# Allegro board trx_layout.brd (continued)
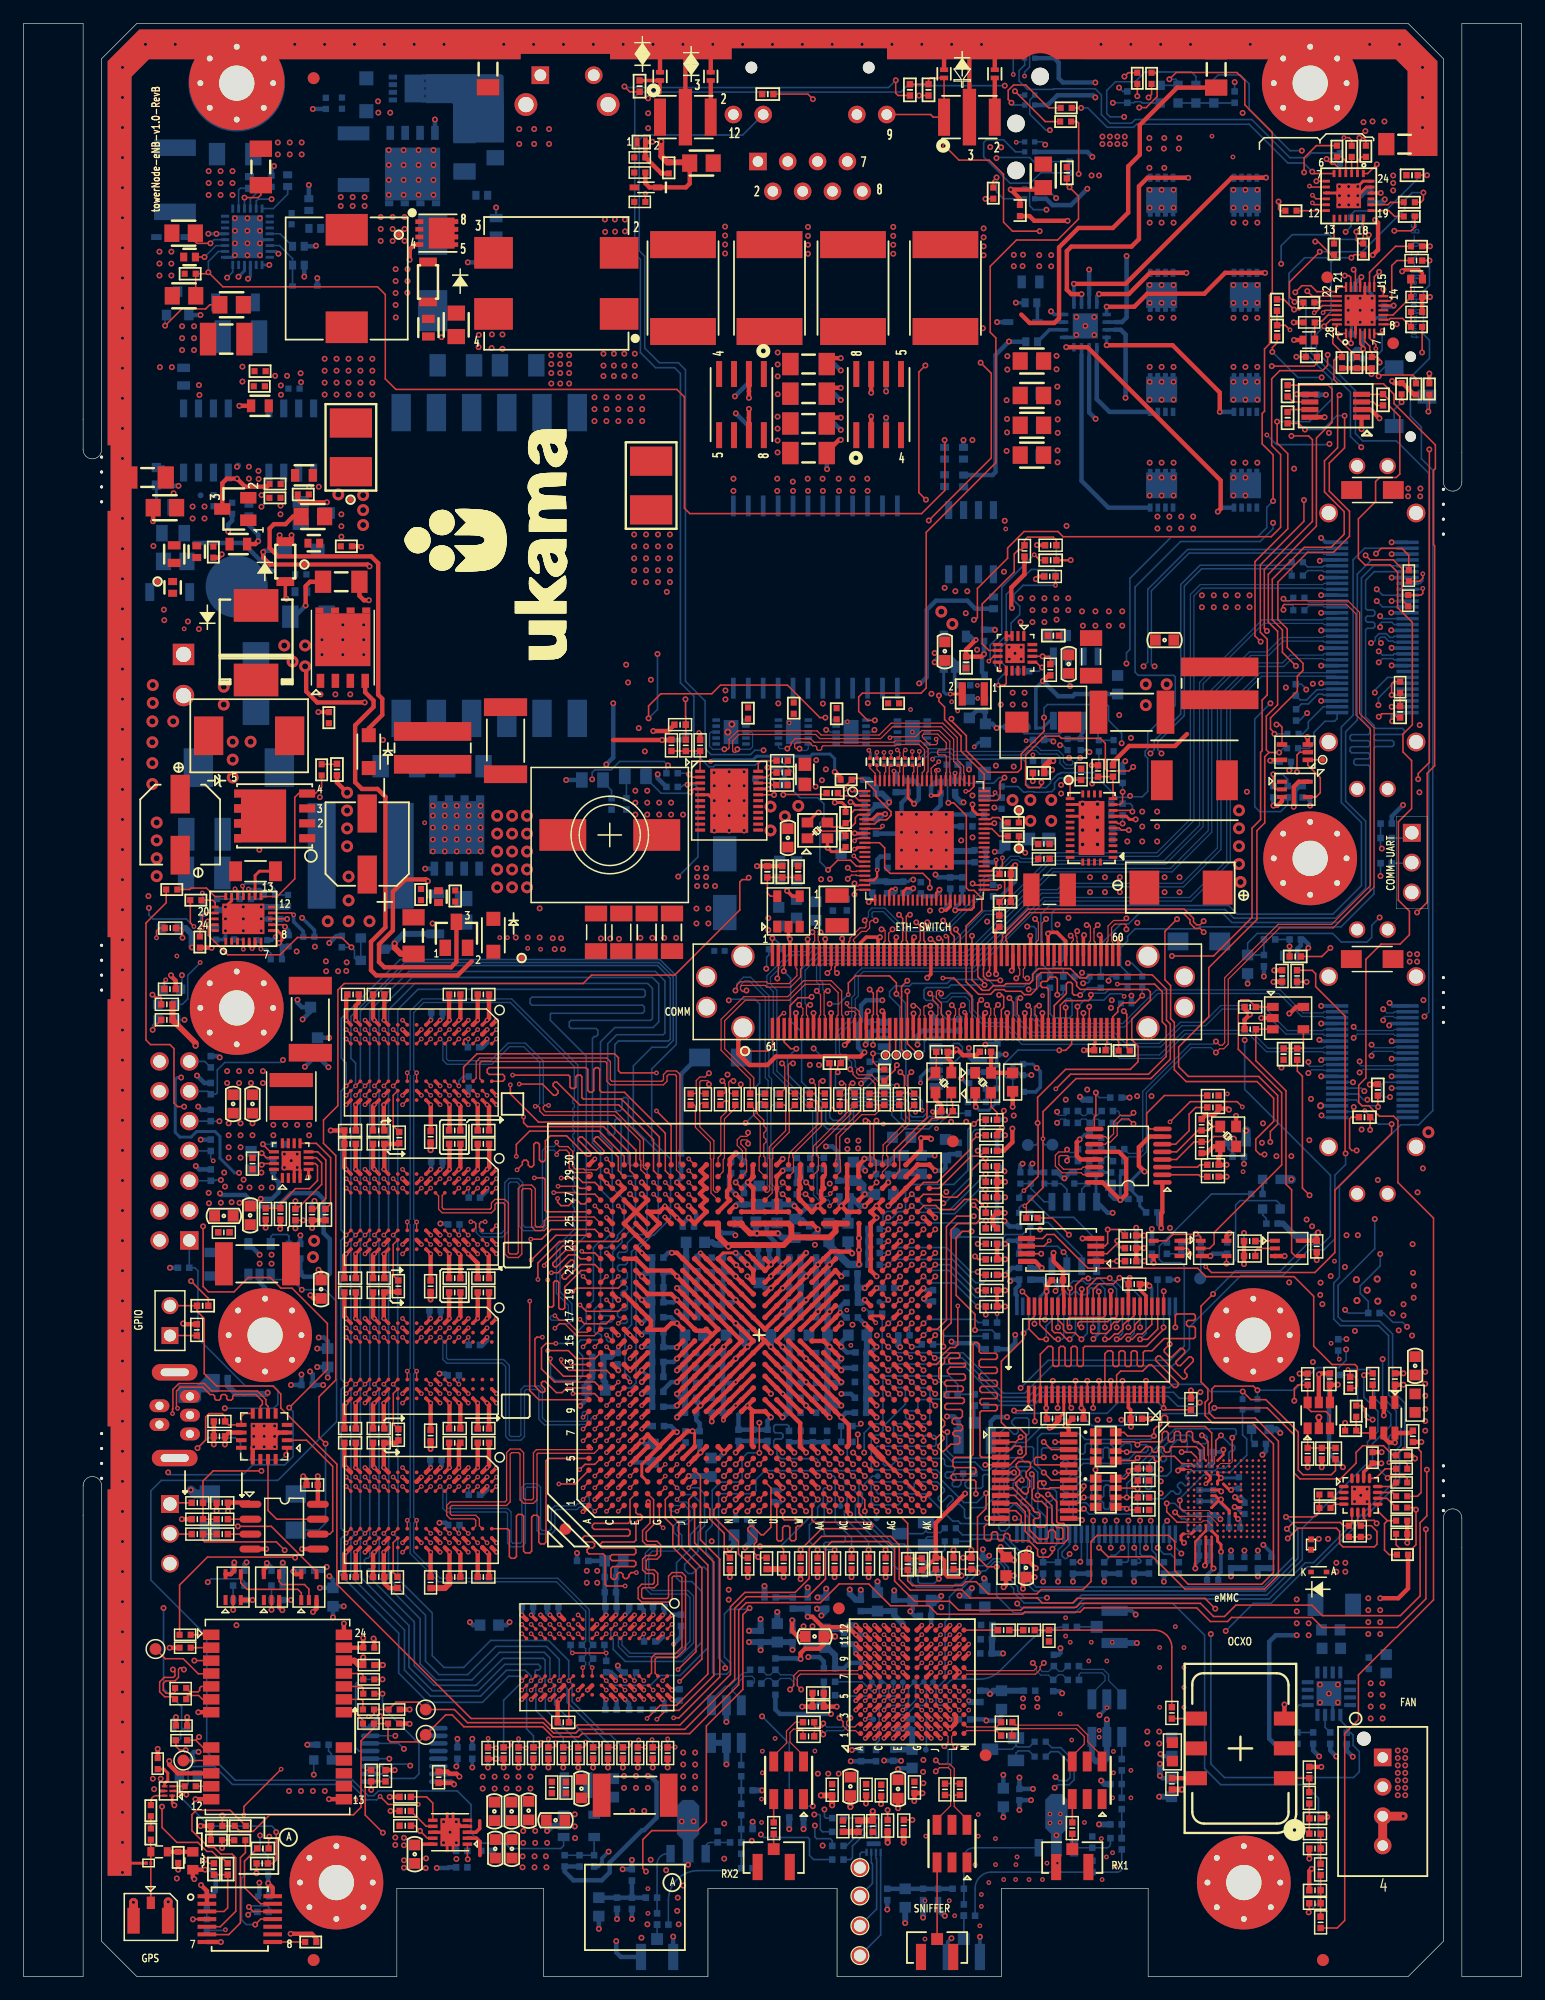
[diagram p0: board, top side]
## Routing (per net, layer and track width the routed paths; a pad name or vN(x,y) marks a point on that pad's centre or on a via; arc(x,y) is an arc through that point) (continued)
7130_RF_D5: length 37
  TOP w0.137: U3.D9 v2(73.3,27.51) ; U1.P4 v1(60.67,42.61)
  L3-SIGNAL w0.127: v1(60.67,42.61) 60.17,42.12 60.17,41.43 59.82,41.07 59.26,41.07 58.77,40.57 58.77,38.26 59.49,37.54 59.49,31.64 59.61,31.51 60.58,31.51 60.71,31.39 60.71,31.13 60.58,31.01 59.61,31.01 59.49,30.88 59.49,30.63 59.61,30.5 60.58,30.5 60.71,30.37 60.71,30.12 60.58,29.99 59.61,29.99 59.49,29.86 59.49,28.39 59.96,27.92 60.21,27.92 60.34,28.05 60.34,28.24 60.47,28.37 60.72,28.37 60.85,28.24 60.85,28.05 60.98,27.92 62.29,27.92 63,28.63 67.41,28.63 67.53,28.5 70.42,28.5 70.65,28.72 71.86,28.72 72.12,28.46 72.12,28.46 72.12,28.15 72.34,27.92 72.66,27.92 73.08,27.51 v2(73.3,27.51)
7130_RF_D6: length 36.6
  TOP w0.137: U1.P5 v1(60.67,43.61) ; U3.E9 v2(74.1,27.51)
  L3-SIGNAL w0.127: v1(60.67,43.61) 61.22,43.06 61.22,41.34 60.95,41.07 60.48,41.07 60.12,40.7 60.12,40.44 60.11,40.44 60.11,40.38 59.9,40.17 59.57,40.17 59.22,39.82 59.22,38.56 60.61,37.17 60.61,34.2 60.62,34.19 60.62,33.98 61.04,33.56 61.04,29.29 61.37,28.96 62.08,28.96 62.25,29.12 62.25,29.75 62.37,29.88 63.22,29.88 63.35,29.75 63.35,29.08 63.48,28.96 63.73,28.96 63.86,29.08 63.86,29.75 63.99,29.88 64.24,29.88 64.37,29.75 64.37,29.08 64.49,28.96 64.75,28.96 64.87,29.08 64.87,29.75 65,29.88 65.76,29.88 66.26,29.38 67.4,29.38 67.52,29.5 71.88,29.5 72.11,29.27 72.11,28.88 72.27,28.72 72.64,28.72 72.89,28.47 72.89,28.16 73.14,27.91 73.97,27.91 74.1,27.79 v2(74.1,27.51)
7130_RF_D7: length 33.8
  TOP w0.137: U3.D8 v2(73.3,26.71) ; U1.N1 v1(59.67,39.61)
  L6-SIGNAL w0.127: v1(59.67,39.61) 59.67,38.95 60.56,38.06 63.26,38.06 64.79,36.53 65.01,36.53 65.69,35.84 65.69,32.79 65.93,32.55 66.67,32.55 66.79,32.42 66.79,32.17 66.67,32.04 65.8,32.04 65.67,31.92 65.67,31.14 65.93,30.89 65.93,29.46 66.47,28.92 67.58,28.92 67.7,29.05 67.7,30.14 67.83,30.27 68.03,30.27 68.16,30.14 68.16,29.64 68.29,29.51 68.44,29.51 68.57,29.64 68.57,30.09 68.7,30.22 68.86,30.22 68.99,30.09 68.99,29.44 67.95,28.4 67.95,28.22 69.07,27.1 69.31,27.1 69.45,27.24 69.45,28.23 69.58,28.36 69.83,28.36 69.96,28.23 69.96,27.23 70.08,27.1 72.66,27.1 73.06,26.71 v2(73.3,26.71)
7130_RF_D8: length 33.9
  TOP w0.137: U3.E8 v2(74.1,26.71) ; U1.N2 v1(59.67,40.61)
  L6-SIGNAL w0.127: v2(74.1,26.71) 73.88,26.71 73.46,26.29 73.14,26.29 72.92,26.06 72.92,25.52 72.75,25.36 71.08,25.36 70.95,25.48 70.95,26.62 70.83,26.75 70.57,26.75 70.44,26.62 70.44,25.48 70.32,25.36 70.06,25.36 69.94,25.48 69.94,26.62 69.81,26.75 69.56,26.75 69.43,26.62 69.43,25.48 69.3,25.36 69.05,25.36 68.14,26.26 68.14,27.55 67.19,28.51 66.38,28.51 65.97,28.92 65.94,28.92 65.04,29.82 65.04,33.66 65.19,33.82 65.19,35.56 63.03,37.73 60.42,37.73 59.18,38.97 59.18,40.13 v1(59.67,40.61)
7130_RF_D9: length 34.2
  TOP w0.137: U3.D7 v2(73.3,25.91) ; U1.N3 v1(59.67,41.61)
  L6-SIGNAL w0.127: v2(73.3,25.91) 73.3,25.56 73.55,25.3 75.49,25.3 75.59,25.21 75.59,25.07 75.49,24.98 70.44,24.98 70.4,25.03 68.58,25.03 67.81,25.79 67.81,27.42 67.05,28.18 66.24,28.18 65.83,28.59 65.8,28.59 63.73,30.65 63.73,36.42 62.75,37.4 60.24,37.4 58.83,38.81 58.83,40.77 v1(59.67,41.61)
7130_RF_D10: length 36.7
  TOP w0.137: U3.F8 v2(74.9,26.71) ; U1.N4 v1(59.67,42.61)
  L3-SIGNAL w0.127: v2(74.9,26.71) 74.68,26.71 74.3,27.09 72.38,27.09 72.12,27.35 72.12,27.66 71.88,27.9 70.63,27.9 70.18,27.45 69.79,27.45 69.66,27.58 69.66,28.04 69.54,28.17 69.28,28.17 69.16,28.04 69.16,27.58 69.03,27.45 68.78,27.45 68.65,27.58 68.65,28.04 68.52,28.17 68.27,28.17 68.14,28.04 68.14,27.58 68.01,27.45 67.76,27.45 66.92,28.29 65.35,28.29 64.1,27.05 60.33,27.05 59.15,28.23 59.15,31.85 59.13,31.87 59.13,37.41 58.44,38.11 58.44,40.71 59.22,41.5 59.22,42.17 v1(59.67,42.61)
7130_RF_D11: length 36.7
  TOP w0.137: U3.E7 v2(74.1,25.91) ; U1.N5 v1(59.67,43.61)
  L3-SIGNAL w0.127: v1(59.67,43.61) 59.67,43.87 59.54,44 58.56,44 57.78,43.22 57.78,32.76 58.82,31.72 58.82,28.09 60.2,26.72 65.2,26.72 66.13,27.65 67.04,27.65 67.57,27.12 71.92,27.12 72.12,26.93 72.12,26.55 72.34,26.32 73.97,26.32 74.1,26.2 v2(74.1,25.91)
7130_RF_ENABLE: length 36.7
  TOP w0.137: U1.T5 v1(62.67,43.61) ; U3.G6 v2(76.52,24.28)
  L3-SIGNAL w0.127: v1(62.67,43.61) 62.67,41.78 63.54,40.91 63.54,36.71 65.66,34.59 69.13,34.59 69.54,34.19 69.54,33.79 69.87,33.46 69.87,32.83 70.46,32.24 73.11,32.24 74.27,31.08 74.45,31.08 74.73,31.37 74.91,31.37 75.08,31.2 75.08,31.02 74.79,30.74 74.79,30.56 75.34,30 75.34,28.97 75.06,28.69 74.74,28.69 74.52,28.46 74.52,27.35 74.74,27.12 75.03,27.12 75.31,26.85 75.31,26.53 75.43,26.4 75.72,26.4 75.85,26.28 75.85,26.02 75.72,25.9 75.43,25.9 75.31,25.77 75.31,25.55 75.18,25.42 74.42,25.42 74.29,25.3 74.29,25.04 74.42,24.92 75.15,24.92 75.31,24.75 75.31,24.01 75.45,23.87 76.85,23.87 76.94,23.96 76.94,24.16 76.81,24.28 v2(76.52,24.28)
7130_RF_FCLK: length 36.6
  TOP w0.137: U1.T4 v1(63.67,42.61) ; U3.F10 v2(74.9,28.31)
  L3-SIGNAL w0.127: v2(74.9,28.31) 74.9,28.07 75.32,27.65 75.32,27.23 75.5,27.05 75.73,27.05 75.86,27.18 75.86,27.7 75.57,27.99 75.57,28.3 75.86,28.59 75.86,30.18 75.91,30.23 75.91,30.24 76.07,30.4 76.07,31.93 75.68,32.32 75.22,32.32 74.44,31.54 74.28,31.54 74.08,31.74 74.08,31.9 74.82,32.64 74.82,32.89 74.37,33.34 73.09,33.34 72.82,33.07 71.8,33.07 71.33,33.55 70.25,33.55 69.87,33.93 69.87,34.05 69.87,34.32 69.27,34.92 66.84,34.92 66.72,35.05 66.72,35.39 66.59,35.52 66.34,35.52 66.21,35.39 66.21,35.05 66.08,34.92 65.83,34.92 65.31,35.44 65.31,35.62 65.47,35.79 65.47,35.97 65.29,36.15 65.11,36.15 64.95,35.98 64.77,35.98 64.62,36.14 64.62,36.32 64.94,36.64 64.94,36.82 64.76,37 64.58,37 64.3,36.71 64.12,36.71 63.87,36.96 63.87,41.04 63,41.91 63,43.31 63.39,43.7 63.57,43.7 63.67,43.6 v1(63.67,42.61)
7130_RF_MCLK: length 33.9
  TOP w0.137: U3.G11 v2(76.52,29.11) ; U1.T1 v1(62.67,39.61)
  L6-SIGNAL w0.127: v1(62.67,39.61) 63.13,40.07 63.13,41.93 63.33,42.14 63.65,42.14 63.79,42 63.79,39.39 65.34,37.85 67.21,37.85 67.87,37.19 69.34,37.19 70.08,36.45 70.08,36.15 70.51,35.72 70.51,35.52 70.1,35.1 70.1,34.92 70.25,34.77 70.43,34.77 70.89,35.22 71.01,35.22 71.19,35.04 71.19,33.68 72.13,32.74 73.54,32.74 74.01,32.27 74.01,31.13 74.14,31.01 74.39,31.01 74.52,31.13 74.52,32.27 74.65,32.4 75.01,32.4 75.76,31.66 76.01,31.66 76.14,31.78 76.14,32 76.27,32.12 76.52,32.12 76.65,32 76.65,31.78 76.77,31.66 77.57,31.66 77.7,31.53 77.7,31.28 77.57,31.15 76.24,31.15 76.12,31.02 76.12,29.51 v2(76.52,29.11)
7130_RF_RESET: length 112.7
  TOP w0.137: v1(110.79,140.51) 111.36,141.07 U21.27 ; v1(114.93,47.41) 114.51,47.41 114.27,47.65 114.27,48.36 114.03,48.61 R6.2
  L6-SIGNAL w0.127: v1(119.34,81.74) 118.34,80.74 118.34,73.02 117.12,71.81 117.12,69.72 119.65,67.19 119.65,66.32 119.13,65.8 119.13,60.75 119.62,60.26 119.62,54.35 114.93,49.65 v1(114.93,47.41)
  BOTTOM w0.137: v1(119.34,81.74) 119.71,82.11 119.71,127.99 116.95,130.75 114.08,130.75 113.46,131.37 113.46,135.03 110.14,138.35 110.14,139.85 v1(110.79,140.51) ; v1(114.93,47.41) 113.64,48.7 113.64,50.83 113.25,51.22 R685.1
7130_RF_RXFRAME: length 36.6
  TOP w0.137: U3.G8 v2(76.52,26.71) ; U1.R5 v1(61.67,43.61)
  L3-SIGNAL w0.127: v1(61.67,43.61) 61.67,43.63 62.15,44.12 63.79,44.12 64.11,43.8 64.11,41.79 64.2,41.7 64.2,38.05 65.75,36.5 65.75,36.15 66.01,35.89 66.97,35.89 67.3,35.56 69.1,35.56 69.77,34.9 70.19,34.47 74.03,34.47 76.42,32.07 76.42,30.35 76.14,30.06 76.14,26.88 76.13,26.87 76.13,24.81 76.26,24.68 77.57,24.68 77.7,24.81 77.7,25.21 77.57,25.34 76.91,25.34 76.78,25.47 76.78,26.45 v2(76.52,26.71)
7130_RF_SPI_CLK: length 48.3
  TOP w0.137: U1.AA1 v1(68.67,39.61) ; U3.J5 v2(78.12,23.48)
  L3-SIGNAL w0.127: v1(68.67,39.61) 69.65,38.63 70.94,38.63 72.14,37.44 74.17,37.44 74.48,37.13 81.74,37.13 84.29,34.58 85.07,34.58 85.64,34.02 85.64,31.27 85.76,31.15 86.11,31.15 86.24,31.02 86.24,30.77 86.11,30.64 85.77,30.64 85.64,30.51 85.64,30.24 85.76,30.11 87.42,30.11 87.55,29.98 87.55,29.73 87.42,29.6 85.76,29.6 85.64,29.47 85.64,29.22 85.76,29.09 87.42,29.09 87.55,28.97 87.55,28.71 87.42,28.58 85.76,28.58 85.64,28.46 85.64,28.2 85.76,28.08 87.42,28.08 87.55,27.95 87.55,27.7 87.42,27.57 85.76,27.57 85.64,27.44 85.64,27.19 83.29,24.84 81.2,24.84 78.77,24.84 78.52,24.59 78.52,23.88 v2(78.12,23.48)
7130_RF_SPI_DI: length 38.5
  TOP w0.137: v1(62.74,36.63) 64.52,36.63 64.75,36.39 R192.2 ; v1(67.67,40.61) U1.Y2 ; U3.J4 v2(78.12,22.68)
  L6-SIGNAL w0.127: v2(78.12,22.68) 77.73,22.29 76.02,22.29 75.48,22.83 75.48,23.72 75.34,23.87 68.6,23.87 61.26,31.2 61.26,33.81 61.26,33.82 61.26,34.19 61.26,34.19 61.26,35.15 v1(62.74,36.63)
  BOTTOM w0.137: v1(62.74,36.63) 64.49,36.63 67.2,39.34 67.2,40.14 v1(67.67,40.61)
7130_RF_SPI_DO: length 44.3
  TOP w0.137: U3.L6 v2(79.72,24.28) ; U1.Y1 67.17,38.87 67.36,38.68 72.16,38.68 72.34,38.5 72.34,38.31 72.16,38.13 67.99,38.13 v1(66.2,36.34) R193.2
  L6-SIGNAL w0.127: v1(66.2,36.34) 66.06,36.2 66.06,34.6 66.24,34.42 66.42,34.42 66.82,34.82 67,34.82 67.18,34.64 67.18,34.46 66.78,34.06 66.78,33.88 67.28,33.37 67.28,32.97 67.18,32.87 67.18,32.11 67.46,31.84 67.71,31.84 69.59,29.96 69.59,29.07 70.74,27.91 72.63,27.91 72.89,27.65 72.89,27.37 73.14,27.12 75.81,27.12 75.94,27 75.94,25.41 76.9,24.44 76.9,24.16 77.16,23.9 77.58,23.9 77.72,23.76 77.72,23.28 77.92,23.07 81.5,23.07 81.74,23.31 81.74,23.71 81.55,23.9 80.11,23.9 v2(79.72,24.28)
7130_RF_SPI_EN: length 40.4
  TOP w0.137: U3.K6 v2(78.92,24.28) ; R195.2 v1(69.09,36.34) ; U1.AA2 v1(68.67,40.61)
  L6-SIGNAL w0.127: v1(69.09,36.34) 69.42,36.01 69.42,34.46 69.54,34.34 69.54,32.51 69.67,32.38 69.67,31.3 70.11,30.86 72.97,30.86 73.71,30.13 73.71,28.96 73.94,28.72 76.71,28.72 76.92,28.52 76.92,26.28 76.79,26.16 76.35,26.16 76.22,26.03 76.22,25.78 76.35,25.65 76.79,25.65 76.92,25.52 76.92,25.3 77.07,25.15 82.79,25.15 82.92,25.02 82.92,24.84 82.81,24.73 79.37,24.73 v2(78.92,24.28)
  BOTTOM w0.137: v1(68.67,40.61) 68.48,40.43 68.48,40.28 68.21,40.01 68.21,38.74 68.07,38.61 67.89,38.61 67.75,38.47 67.75,38.19 67.89,38.06 68.07,38.06 68.21,37.92 68.21,37.68 68.38,37.52 69.87,37.52 70.01,37.38 70.01,37.1 69.87,36.97 68.31,36.97 68.17,36.83 68.17,36.48 68.31,36.34 v1(69.09,36.34)
7130_RF_TXFRAME: length 33.8
  TOP w0.137: U3.G9 v2(76.52,27.51) ; U1.T2 v1(62.67,40.61)
  L6-SIGNAL w0.127: v2(76.52,27.51) 76.12,27.91 73.14,27.91 72.91,28.14 72.91,28.46 72.66,28.7 70.64,28.7 69.93,29.41 69.93,30.11 68.11,31.92 68.11,32.44 67.87,32.69 67.87,33.2 68.11,33.43 68.11,34.17 66.87,35.41 66.87,36.33 66.35,36.86 64.93,36.86 63.39,38.39 60.86,38.39 60.15,39.11 60.15,42.74 60.53,43.12 62.51,43.12 62.67,42.96 v1(62.67,40.61)
7130_RF_TXNRX: length 37.3
  TOP w0.137: R191.2 62.65,35.65 v1(62.59,35.71) 62.26,36.05 62.26,36.83 62.44,37.02 62.44,37.22 61.7,37.97 61.7,38.16 61.89,38.36 62.09,38.36 62.84,37.61 63.03,37.61 63.67,38.25 63.67,41.61 U1.T3 ; U3.H4 v2(77.32,22.68)
  L6-SIGNAL w0.127: v2(77.32,22.68) 76.93,23.08 76.29,23.08 76.1,23.26 76.1,24.57 75.98,24.7 68.37,24.7 67.48,25.58 67.48,27.28 66.91,27.85 66.07,27.85 65.95,27.97 65.95,28 65.69,28.26 65.66,28.26 62.33,31.59 62.33,33.69 62.45,33.82 63.15,33.82 63.27,33.95 63.27,34.2 63.15,34.33 62.45,34.33 62.33,34.46 62.33,35.45 v1(62.59,35.71)
7130_RX0: length 123.9
  TOP w0.137: v1(20.27,43.05) 16.16,43.05 15.29,42.19 R175.2 R179.2 R180.1 ; v1(75.67,64.61) U1.AH25
  L6-SIGNAL w0.127: v1(20.27,43.05) 19.14,44.18 19.14,50.08 16.36,52.86 16.36,59.61 19.59,62.84 22.02,62.84 22.51,63.32 22.51,66.3 23.83,67.62 23.83,76.28 23.19,76.91 23.19,77.67 24.39,78.87 24.39,85.88 25.61,87.1 28.68,87.1 29.14,87.1 31.23,89.19 32.33,89.19 32.63,88.89 35.93,88.89 36.31,89.27 39.32,89.27 39.32,89.27 46.16,89.27 57.61,77.83 59.89,77.83 70.58,67.13 74.22,67.13 75.11,66.24 75.11,65.17 v1(75.67,64.61)
7130_RX1: length 98.1
  TOP w0.137: U1.AK22 v1(77.67,61.61)
  L3-SIGNAL w0.127: v1(31.17,18.54) 31.17,17.25 33.27,15.15 57.39,15.15 57.99,15.75 57.99,21.4 57.6,21.78 57.6,31.76 57.12,32.24 57.12,45.24 57.58,45.7 57.58,47.27 56.82,48.03 56.82,52.86 58.5,54.53 69.65,54.53 v1(70.61,55.5) ; v1(72.7,54.58) 72.82,54.58 73.36,55.12 73.89,55.12 74.11,55.34 74.11,59.69 74.49,60.06 76.87,60.06 77.17,60.35 77.17,61.11 v1(77.67,61.61)
  L6-SIGNAL w0.127: v1(72.7,54.58) 70.94,54.58 70.61,54.91 v1(70.61,55.5)
  BOTTOM w0.137: v1(31.17,18.54) 31.16,18.55 U68.4
7130_SCL0: length 126.3
  TOP w0.137: R629.1 111.15,135.49 111.46,135.18 111.46,132.32 110.14,131 110.14,123.5 106.04,119.39 106.04,115.33 106.83,114.53 106.83,108.28 105.87,107.31 105.87,104.45 106.09,104.22 ; v1(76.67,59.61) U1.AJ20 ; 106.09,104.22 v1(106.97,104.22) ; 106.09,104.22 105.74,103.86 105.74,98.23 105.07,97.56 105.07,90 100.97,85.9 100.97,81.72 98.4,79.15 98.4,77.47 99.23,76.64 105.22,76.64 106.84,75.02 106.84,72.57 106.21,71.94 v1(106.21,71.06)
  L3-SIGNAL w0.127: v1(106.21,71.06) 106.21,66.2 103.52,63.52 103.52,60.57 102.95,59.99 102.85,59.99 102.57,59.71 99.41,59.71 98.86,60.26 87.49,60.26 87.12,59.89 85.36,59.89 84.09,58.61 84.09,58.17 82.96,57.05 v1(81.29,57.05)
  BOTTOM w0.137: v1(106.97,104.22) 107.32,104.58 R486.1 ; v1(76.67,59.61) 77.23,59.05 79.28,59.05 v1(81.29,57.05) R393.2
7130_SCL1: length 140.4
  TOP w0.137: v1(53.03,8.94) 52.76,9.21 52.76,11.66 53.52,12.42 57.44,12.42 58.17,13.15 58.17,21.33 61.28,24.44 61.28,30.81 61.74,31.27 61.76,31.27 v1(61.86,31.37) ; v1(62.68,44.59) v1(62.68,47.15) ; U1.AJ21 v1(76.67,60.61)
  L3-SIGNAL w0.127: v2(70.13,56.74) 71.08,55.8 71.08,55.02 70.24,54.18 67.98,54.18 67.16,53.36 67.16,47.58 66.47,46.89 62.95,46.89 v1(62.68,47.15) ; v1(19.14,5.26) 18.62,5.78 18.62,8.56 22.96,12.9 29.02,12.9 30.23,11.68 30.79,11.68 31.56,12.45 32.51,12.45 34.45,10.52 41.28,10.52 42.04,9.75 51.18,9.75 52,8.94 v1(53.03,8.94)
  L6-SIGNAL w0.127: v2(70.13,56.74) 70.81,56.06 73.47,56.06 74.58,57.17 74.89,57.17 75.17,57.45 75.17,57.84 75.43,58.1 75.81,58.1 76.11,58.41 76.11,59.75 76.67,60.31 v1(76.67,60.61)
  BOTTOM w0.137: R616.2 19.39,5.5 v1(19.14,5.26) ; v1(76.67,60.61) 77.16,60.12 78.82,60.12 81.13,57.81 81.83,57.81 81.97,57.95 R392.2 ; v1(61.86,31.37) 61.83,31.37 61.74,31.27 60.11,31.27 59.71,30.87 59.71,27.21 60.23,26.69 60.23,26.06 59.91,25.74 58.84,25.74 58.7,25.88 58.7,35.57 58.15,36.13 58.15,37.89 58.67,38.41 58.67,41.4 59.36,42.09 60.95,42.09 61.21,42.36 61.21,44.12 61.68,44.59 v1(62.68,44.59)
7130_SCLK: length 90.4
  TOP w0.137: v1(77.67,48.61) U1.AK10
  L3-SIGNAL w0.127: v1(77.67,48.61) 77.8,48.61 78.77,49.59 78.77,52.14 79.75,53.12 81.87,53.12 82.56,53.81 89.31,53.81 89.59,54.09 89.59,56.75 90.67,57.83 97.99,57.83 99.21,59.05 102.84,59.05 103.13,59.33 103.81,59.33 107.29,62.81 107.29,70.84 106.61,71.53 92.08,71.53 88.94,74.66 v1(88.78,74.66)
  L6-SIGNAL w0.127: v1(88.78,74.66) 86.06,74.66 82.65,78.07 82.65,80.06 80.97,81.74 80.97,82.67 80.81,82.83 80.81,85.14 81.47,85.79 83.05,85.79 84.3,84.54 85.14,84.54 v1(85.63,84.05)
  BOTTOM w0.137: v1(85.63,84.05) 86.22,84.05 86.5,84.33 R307.1
7130_SDA0: length 129.9
  TOP w0.137: v1(105.72,69.99) 105.32,69.99 104.98,70.34 104.98,71.29 106.5,72.81 106.5,74.78 105.08,76.2 99.04,76.2 98.03,77.21 98.03,81.25 97.72,81.56 97.72,84.38 97.23,84.86 97.23,89 v1(98.27,90.03) ; v1(77.67,60.61) U1.AK21 ; v1(112.54,132.89) 112.54,130.16 111.23,128.86 111.23,126.48 112.96,124.76 112.96,122.63 111.59,121.27 109.38,121.27 106.85,118.74 106.85,115.54 107.65,114.75 107.65,113.16 109,111.81 109,111.2 108.51,110.72 108.51,109.45 106.23,107.16 106.23,106.23 106.56,105.89 v1(106.56,105.8) ; v1(109.16,131.72) 108.63,132.24 R628.1 ; R152.2 v1(81.28,58.42)
  L3-SIGNAL w0.127: v1(106.56,105.8) 105.75,105.8 100.45,100.5 100.45,93.05 98.27,90.87 v1(98.27,90.03) ; v1(105.72,69.99) 105.72,66.23 103.16,63.68 103.16,60.72 102.77,60.33 102.72,60.33 102.43,60.04 99.57,60.04 98.25,61.37 92.51,61.37 91.93,60.78 83.98,60.78 81.61,58.42 v1(81.28,58.42)
  BOTTOM w0.137: R485.1 v1(106.56,105.8) ; v1(77.67,60.61) 78.9,60.61 81.09,58.42 v1(81.28,58.42) ; v1(109.16,131.72) 110.69,131.72 111.87,132.9 112.53,132.9 v1(112.54,132.89)
7130_SDA1: length 165
  TOP w0.137: v1(81.97,56.36) R153.2 ; U1.AK20 v1(77.67,59.61) ; v1(20.94,11.91) 20.88,11.84 R627.2
  L3-SIGNAL w0.127: v1(81.97,56.36) 78.74,56.36 77.67,57.44 v1(77.67,59.61)
  L6-SIGNAL w0.127: v1(20.94,11.91) 20.94,12.92 21.69,13.66 28.91,13.66 29.63,12.94 32.46,12.94 34.48,10.92 47.23,10.92 47.46,11.15 57.56,11.15 59.95,8.76 64.88,8.76 68.24,12.12 75.88,12.12 83.42,19.66 87.03,19.66 100.26,32.89 107.27,32.89 108.92,34.55 108.92,48.6 109.38,49.05 109.38,56.41 106.12,59.66 99.49,59.66 97.59,57.76 96.14,57.76 95.03,58.87 90.56,58.87 90.38,59.05 86.57,59.05 84.79,57.28 84.58,57.28 83.35,56.05 82.64,56.05 82.32,56.36 v1(81.97,56.36)
7130_SMIO_MDC: length 148.4
  TOP w0.137: R721.2 75.32,33.7 75.74,33.28 79.95,33.28 80.28,33.61 81.15,33.61 82.19,32.57 86.32,32.57 86.7,32.95 90.26,32.95 90.94,33.63 90.94,37.04 91.47,37.57 97.54,37.57 98.07,37.04 98.07,34.55 99.22,33.4 105.49,33.4 106.48,34.39 106.48,45.34 104.69,47.13 101.28,47.13 100.65,47.76 100.65,48.89 100.89,49.13 100.89,50.04 100.31,50.62 100.31,57.08 v1(101.33,58.11)
  L3-SIGNAL w0.127: v1(85.33,95.69) 88.54,95.69 88.94,95.28 88.94,91.66 88.08,90.79 88.08,89.57 v1(88.08,89.57)
  L6-SIGNAL w0.127: v1(88.08,89.57) 88.08,90.49 88.72,91.13 94.52,91.13 95.51,90.14 95.51,88.65 94.54,87.68 94.54,86.12 95.17,85.49 95.17,84.63 95.89,83.91 95.89,82.95 95.5,82.56 94.78,82.56 94.51,82.28 94.51,79.68 94.74,79.45 100.51,79.45 101.5,80.44 103.08,80.44 103.79,79.73 v1(104.03,79.73) ; v1(85.33,95.69) 85.33,96.9 v1(82.7,99.53)
  BOTTOM w0.137: v1(82.7,99.53) 82.8,99.42 R722.1 ; v1(104.03,79.73) 104.03,75.53 111.33,68.22 111.33,63.04 110.59,62.31 109.3,62.31 107.07,60.08 103.23,60.08 101.33,58.19 v1(101.33,58.11)
7130_SMIO_MDIO: length 176.1
  TOP w0.137: v1(86.71,101.67) 86.71,101.41 86.54,101.23 85.61,101.23 85.37,101.48 85.37,103.98 87,105.62 88.23,105.62 88.42,105.42 91.73,105.42 91.73,105.42 92.15,105 92.15,102.84 92.35,102.65 94.17,102.65 94.51,102.99 v1(94.53,102.99)
  L3-SIGNAL w0.127: v1(104.22,100.88) 109.41,100.88 114.84,106.3 114.84,107.44 115.14,107.75 115.8,107.75 116.14,107.4 116.14,104.18 117.91,102.42 117.91,100.83 116.74,99.66 116.74,91.54 117.58,90.7 117.58,88.24 116.8,87.46 116.8,84.4 117.55,83.65 117.55,72.46 112.98,67.89 111.54,67.89 108.53,64.87 108.53,63.99 108.83,63.69 108.83,56.96 109.51,56.28 109.51,53.22 108.07,51.79 v1(108.07,50.88) ; v1(86.71,101.67) 84.38,104 81.78,104 v1(80.55,102.77)
  L6-SIGNAL w0.127: v1(108.07,50.88) 108.7,50.25 108.7,48.84 108.59,48.72 108.59,34.84 107.08,33.33 100.08,33.33 96.78,30.02 90.38,30.02 88.15,32.25 v1(87.18,32.25) ; v1(104.22,100.88) 104.22,104.14 103.23,105.13 95.3,105.13 94.53,104.36 v1(94.53,102.99)
  BOTTOM w0.137: v1(80.55,102.77) 80.53,102.78 R723.1 ; R720.2 75.57,33.63 76.07,33.12 79.1,33.12 79.38,33.4 79.86,33.4 80.42,33.96 80.42,34.14 81.27,34.99 82.04,34.99 82.62,35.57 83.19,35.57 83.9,34.85 83.9,33.95 84.69,33.16 84.69,32.83 85.27,32.25 v1(87.18,32.25)
7130_SYS_PLL_MUL0: length 9.6
  TOP w0.137: v1(81.94,67.01) 81.94,67.03 81.97,67 R133.2 ; U1.AH26 v1(75.67,65.61)
  BOTTOM w0.137: R133.2 81.97,67 81.94,67.03 v1(81.94,67.01) 81.38,67.01 79.32,64.95 78.13,64.95 78.02,65.06 76.22,65.06 v1(75.67,65.61)
7130_SYS_PLL_MUL1: length 9.4
  TOP w0.137: R129.2 81.97,69.6 81.96,69.61 ; 81.96,69.61 81.73,69.61 80.72,68.6 80.72,67.56 79.51,66.35 78.43,66.35 78.18,66.6 76.66,66.6 U1.AJ27 ; 81.96,69.61 v1(81.96,69.65)
  BOTTOM w0.152: v1(81.96,69.65) 81.96,69.61 81.97,69.6 R129.2
7130_SYS_PLL_MUL2: length 13.2
  TOP w0.137: R139.2 81.97,64.34 v1(81.99,64.36) ; U1.AG26 v1(74.67,65.61)
  BOTTOM w0.137: v1(74.67,65.61) 74.51,65.61 74.03,65.14 73.56,65.14 73.22,64.8 73.22,64.43 73.48,64.16 81.51,64.16 81.71,64.36 v1(81.99,64.36) 81.99,63.73 R139.2
7130_SYS_PLL_MUL3: length 8.7
  TOP w0.137: U1.AJ28 76.67,67.61 77.82,67.61 80.77,70.56 80.77,71.12 v1(81.28,71.63) R125.2
  BOTTOM w0.152: R125.2 v1(81.28,71.63)
7130_SYS_PLL_MUL4: length 10.1
  TOP w0.137: R131.2 81.97,68.22 81.96,68.23 v1(81.96,68.33) ; U1.AH27 v1(75.67,66.61)
  BOTTOM w0.137: v1(75.67,66.61) 76.88,65.4 78.16,65.4 78.28,65.29 78.92,65.29 v1(81.96,68.33) 81.97,68.32 R131.2
7130_SYS_PLL_VDD33: length 3.7
  TOP w0.381: U1.AH30 76.46,70.4 v1(76.46,71.37) 76.5,71.41 77.21,71.41 v1(77.32,71.31)
7130_TX0: length 124.6
  TOP w0.137: v1(22.25,36.3) 21.54,37.01 15.43,37.01 15.29,37.15 R183.2 R184.1 ; U1.AJ24 v1(76.67,63.61)
  L6-SIGNAL w0.127: v1(22.25,36.3) 22.25,42.95 23.4,44.09 23.4,49.6 25.68,51.89 25.68,71.09 24.79,71.98 24.79,82.25 31.4,88.86 32.2,88.86 32.51,88.54 36.15,88.54 36.54,88.94 46.03,88.94 57.38,77.59 57.38,76.15 58.01,75.51 61.73,75.51 71.13,66.12 73.97,66.12 74.22,65.86 74.22,64.28 74.45,64.06 76.22,64.06 v1(76.67,63.61)
7130_TX1: length 97.4
  TOP w0.137: U1.AJ22 v1(76.67,61.61)
  L3-SIGNAL w0.127: v1(67.41,62.31) 67.41,61.52 67.21,61.32 67.21,56.92 65.26,54.97 58.26,54.97 56.22,52.93 56.22,32.55 57.27,31.5 57.27,21.64 57.66,21.26 57.66,18.75 57.49,18.59 57.06,18.59 56.67,18.19 56.67,15.79 56.35,15.48 34.54,15.48 31.68,18.34 v1(31.68,20.5)
  L6-SIGNAL w0.127: v1(67.42,62.31) 71.86,62.31 72.06,62.1 76.18,62.1 v1(76.67,61.61)
  BOTTOM w0.137: U68.7 v1(31.68,20.5)
7130_TXCO_PWM: length 2.6
  TOP w0.137: R239.2 C176.1 R238.1
7130_USB_DN0: length 140.9
  TOP w0.132: R206.2 12.91,24.26 12.78,24.13 12.15,24.13 11.91,24.37 11.91,24.96 12.11,25.16 12.89,25.16 13.2,25.47 13.2,26.15 13.34,26.29 13.56,26.29 13.67,26.18 v1(13.67,26.14) ; U1.AE30 72.15,69.14 72.15,69.85 72.11,69.88 72.11,72.8 71.98,72.93 71.78,72.93 v1(71.72,72.87)
  L3-SIGNAL w0.117: v1(13.67,26.14) 13.67,25.86 13.55,25.75 13.33,25.75 13.22,25.87 13.22,29.71 16.61,33.11 16.61,34.03 16.61,34.59 16.61,37.49 23.91,44.78 23.91,49.66 26.09,51.85 26.09,70.18 25.35,70.92 25.35,84.1 25.89,84.64 28.03,84.64 30.24,86.84 38.24,86.84 40.5,89.11 45.81,89.11 47.4,87.52 52.2,87.52 56.56,83.16 56.56,76.1 58.36,74.3 62.24,74.3 63.82,75.87 63.82,77.7 64.32,78.2 71.06,78.2 72.17,77.1 72.17,72.83 72.04,72.7 71.79,72.7 71.72,72.77 v1(71.72,72.87)
7130_USB_DN1: length 75.8
  TOP w0.132: v1(74.69,77.01) 75.04,76.66 75.04,75.31 74.9,75.17 R120.1
  L6-SIGNAL w0.117: v1(95.41,111.56) 95.41,111.08 95.38,111.05 94.83,111.05 92.12,108.35 92.12,102.04 92.11,102.03 92.11,96.26 90.93,95.08 88.93,95.08 83.23,89.38 80.43,89.38 78.88,87.82 75.88,87.82 73.56,85.5 73.56,83.34 73.6,83.3 73.6,82.94 73.59,82.93 73.59,79.39 75,77.99 75,77.31 v1(74.69,77.01)
  BOTTOM w0.132: v1(95.41,111.56) 95.77,111.92 95.77,118.11 99.17,121.51 110.66,121.51 110.76,121.61 J13.32
7130_USB_DP0: length 141
  TOP w0.132: v1(12.73,26.14) 12.9,25.96 12.9,25.6 12.77,25.47 11.99,25.47 11.6,25.08 11.6,24.24 12.02,23.82 12.7,23.82 R208.2 ; v1(72.66,72.87) 72.42,72.63 72.42,70.01 72.45,69.97 72.45,69.66 72.63,69.48 72.63,68.57 U1.AE29
  L3-SIGNAL w0.117: v1(72.66,72.87) 72.47,73.07 72.47,77.22 71.19,78.51 64.19,78.51 63.51,77.83 63.51,76 62.11,74.6 58.49,74.6 56.86,76.22 56.86,83.29 52.33,87.82 47.53,87.82 45.94,89.41 40.37,89.41 38.11,87.15 30.11,87.15 27.91,84.94 26.02,84.94 25.77,84.94 25.05,84.22 25.05,70.79 25.79,70.05 25.79,51.97 23.6,49.78 23.6,44.91 16.31,37.61 16.31,34.59 16.31,34.03 16.31,33.24 12.91,29.84 12.91,26.32 v1(12.73,26.14)
7130_USB_DP1: length 75.9
  TOP w0.132: R121.1 75.47,75.17 75.34,75.31 75.34,76.71 v1(75.63,77.01)
  L6-SIGNAL w0.117: v1(75.63,77.01) 75.3,77.34 75.3,78.11 73.9,79.52 73.9,82.81 73.9,82.81 73.9,83.43 73.87,83.47 73.87,85.37 76.01,87.52 79,87.52 80.56,89.07 83.36,89.07 89.06,94.77 91.06,94.77 92.42,96.13 92.42,101.91 92.43,101.92 92.43,108.22 94.95,110.75 95.51,110.75 95.99,111.23 95.99,111.4 96,111.41 96,111.44 96.11,111.56 v1(96.35,111.56)
  BOTTOM w0.132: J13.33 110.76,121.11 110.67,121.2 99.29,121.2 96.08,117.98 96.08,111.69 96.21,111.56 v1(96.35,111.56)
7130_VDD: length 204.6
  TOP w0.254: U1.M22 59.17,61.19 59.6,61.61 v1(60.67,61.61)
  TOP w0.381: U1.K22 U1.L21 U1.M20 U1.N19 U1.P18 U1.R17 U1.T16 U1.U17 v1(64.67,56.61) U1.V18 U1.W19 ; v1(63.67,49.61) U1.T11 ; U1.V20 U1.U19 U1.T18 ; U1.V20 U1.W21 U1.Y22 ; U1.V20 v1(64.67,58.61) ; U1.P22 U1.R21 U1.R20 v1(61.67,59.61) ; U1.U21 v2(64.67,60.61) ; v2(64.67,60.61) U1.V22 ; v2(64.67,60.61) v1(63.67,59.61) U1.T20 ; v1(69.67,50.61) U1.AB12 U1.AA13 U1.Y14 U1.W15 ; U1.Y16 U1.AA17 v1(68.67,56.61) U1.AB18 ; U1.J21 U1.K20 U1.L19 U1.M18 U1.N17 v1(60.67,55.61) U1.P16 U1.R15 v1(61.67,53.61) U1.P14 v1(60.67,52.61) U1.N13 U1.M12 U1.L11 U1.K10 U1.J9 v1(55.67,47.61) ; U1.L9 U1.M10 U1.N11 v2(60.67,50.61) U1.P12 U1.R13 ; U1.W9 U1.V10 65.17,49.13 v2(64.68,49.61) 64.67,49.61 U1.U11 U1.T12 ; 58.67,54.61 U1.M16 U1.L17 U1.K18 U1.J19 v1(55.67,58.61) ; 58.67,54.61 U1.L16 58.05,54.99 57.29,54.99 U1.K16 U1.J17 v1(55.67,56.61) ; 58.67,54.61 U1.L15 U1.K14 56.67,52.61 U1.J13 v1(55.67,51.61) ; U1.AA21 U1.Y20 ; U1.AA21 v1(68.67,60.61) ; U1.AA21 U1.AB22 ; v1(55.67,49.61) U1.J11 U1.K12 U1.L13 U1.M14 v1(59.67,53.61) U1.N15 ; v1(60.67,59.61) U1.M22 U1.N21 U1.P20 U1.R19 ; v2(59.63,47.37) 59.63,47.57 U1.N9 U1.P10 U1.R11 ; v1(64.67,47.61) U1.U9 U1.T10 ; v1(69.67,52.61) U1.AB14 U1.AA15 U1.Y15 ; v1(69.67,48.61) U1.AB10 U1.AA11 U1.Y12 U1.W13 U1.V14 U1.U15 U1.V16 U1.W17 U1.Y18 U1.AA19 U1.AB20 ; v1(68.67,47.61) U1.AA9 U1.Y10 U1.W11 U1.V12 U1.U13 U1.T14
  BOTTOM w0.381: C343.1 C350.1 C356.1 60.07,48.01 v2(60.67,48.61) ; C343.1 60.61,50.55 v2(60.67,50.61) ; C343.1 C336.1 ; v2(64.67,60.61) 64.3,60.98 64.3,62.25 63.31,63.24 63.31,63.78 63.69,64.16 L23.2 ; C307.1 59.59,56.69 59.67,56.61 59.59,56.54 C314.1 ; C307.1 60.46,57.41 v1(60.67,57.61) ; C307.1 C298.1 C290.1 ; v1(64.67,58.61) 64.73,58.68 C297.1 C289.1 64,59.95 v1(63.67,59.61) ; C290.1 60.33,59.95 60.67,59.61 v1(60.67,59.61) 59.59,60.69 ; C290.1 59.59,60.69 ; v1(68.67,47.61) 68.48,47.8 ; C336.1 C329.1 59.59,53.54 v1(59.67,53.61) ; C336.1 59.88,51.82 v1(60.67,52.61) ; C349.1 65.02,49.28 v2(64.68,49.61) ; C281.1 59.59,60.69 ; v1(68.67,60.61) 68.48,60.43